# Altium PCB WX0.000.863拼板.PcbDoc (part 6 of 15) (continued)
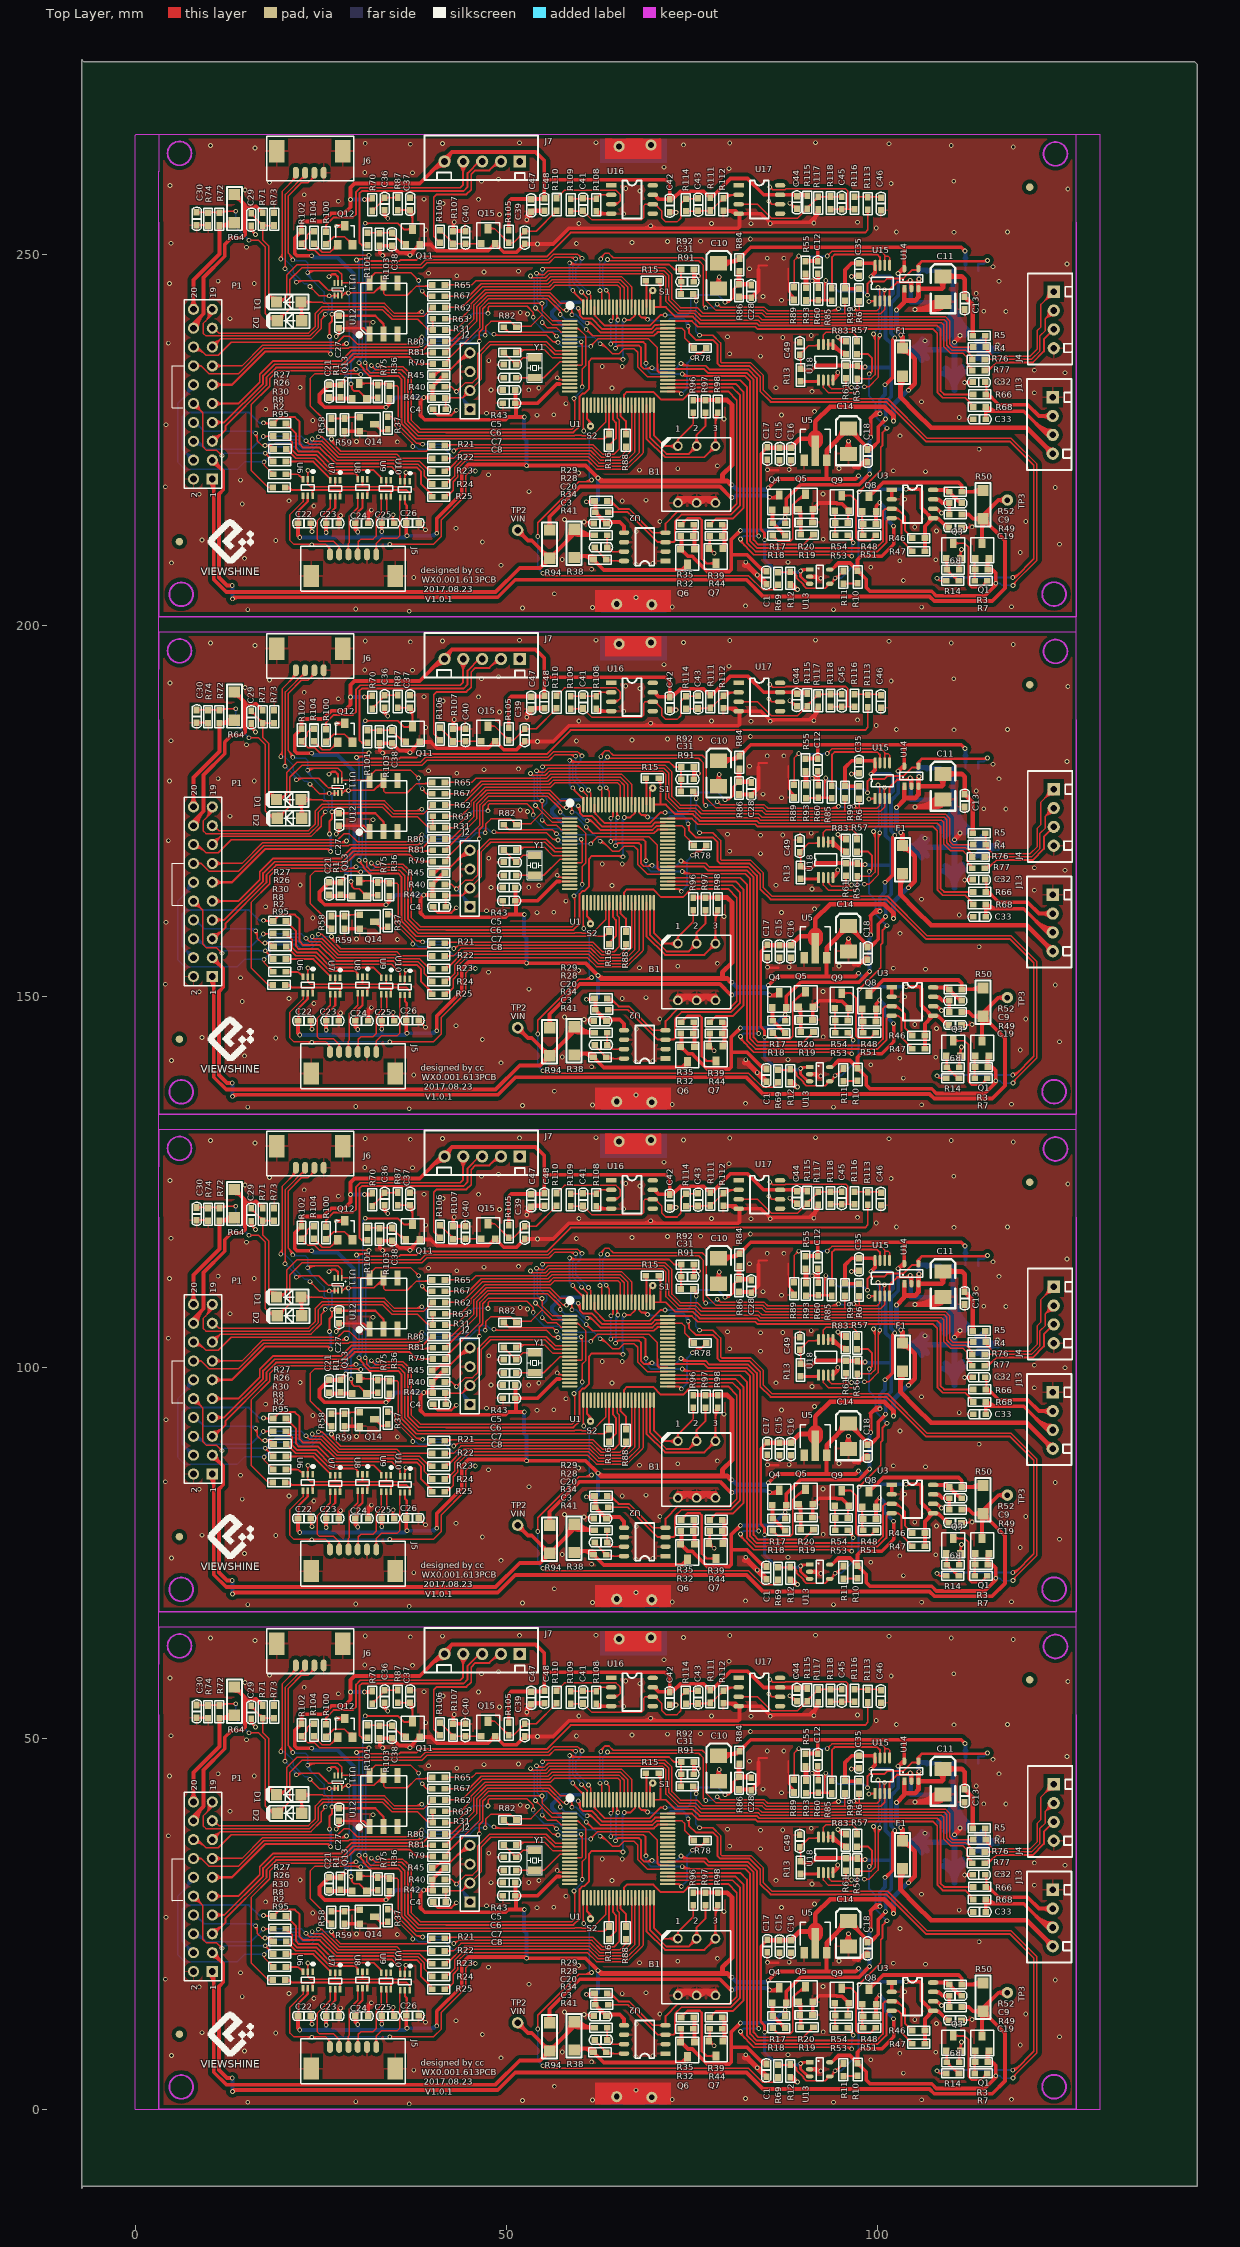
[diagram p0: Top Layer view]
## Nets (pads, with @x,y where several pads share a name; then routed paths per layer and width w, separated by ;. In a path a pad name is that pad's centre, name@x,y a point inside that pad or via, vN(x,y) a via of type N, cw(c..) or ccw(c..) an arc to the next point about the centre after c; other vN are vias at no path point) (continued)
79.248,56.045 ; 78.663,122.859 cw(c79.248,122.273) 79.248,123.101 ; 78.663,189.915 cw(c79.248,189.329) 79.248,190.157 ; 78.663,256.971 cw(c79.248,256.385) 79.248,257.213 ; 78.785,55.925 ccw(c78.373,56.337) 78.956,56.337 ; 78.785,122.981 ccw(c78.373,123.393) 78.956,123.393 ; 78.785,190.037 ccw(c78.373,190.449) 78.956,190.449 ; 78.785,257.093 ccw(c78.373,257.505) 78.956,257.505 ; 79.167,56.52 cw(c80.015,55.672) 80.015,56.871 ; 79.167,123.576 cw(c80.015,122.728) 80.015,123.927 ; 79.167,190.632 cw(c80.015,189.784) 80.015,190.983 ; 79.167,257.688 cw(c80.015,256.84) 80.015,258.039 ; 79.293,56.727 ccw(c79.371,57.231) 79.731,56.871 ; 79.293,123.783 ccw(c79.371,124.287) 79.731,123.927 ; 79.293,190.839 ccw(c79.371,191.343) 79.731,190.983 ; 79.293,257.895 ccw(c79.371,258.399) 79.731,258.039 ; 79.311,56.376 cw(c80.505,55.182) 80.505,56.871 ; 79.311,123.432 cw(c80.505,122.238) 80.505,123.927 ; 79.311,190.488 cw(c80.505,189.294) 80.505,190.983 ; 79.311,257.544 cw(c80.505,256.35) 80.505,258.039 ; 79.455,56.232 cw(c80.996,54.691) 80.996,56.871 ; 79.455,123.288 cw(c80.996,121.747) 80.996,123.927 ; 79.455,190.344 cw(c80.996,188.803) 80.996,190.983 ; 79.455,257.4 cw(c80.996,255.859) 80.996,258.039 ; 79.54,56.439 cw(c80.123,56.439) 79.711,56.851 ; 79.54,123.495 cw(c80.123,123.495) 79.711,123.907 ; 79.54,190.551 cw(c80.123,190.551) 79.711,190.963 ; 79.54,257.607 cw(c80.123,257.607) 79.711,258.019 ; 80.358,56.871 cw(c80.358,56.293) 80.767,56.702 ; 80.358,123.927 cw(c80.358,123.349) 80.767,123.758 ; 80.358,190.983 cw(c80.358,190.405) 80.767,190.814 ; 80.358,258.039 cw(c80.358,257.461) 80.767,257.87 ; 80.481,56.871 ccw(c80.481,57.274) 80.767,56.989 ; 80.481,123.927 ccw(c80.481,124.33) 80.767,124.045 ; 80.481,190.983 ccw(c80.481,191.386) 80.767,191.101 ; 80.481,258.039 ccw(c80.481,258.442) 80.767,258.157 ; 81.305,55.575 83.845,55.575 84.407,55.013 84.511,54.91 85.725,53.696 89.256,53.696 90.551,54.991 90.442,54.991 ; 81.305,56.845 81.291,56.845 81.265,56.871 79.731,56.871 ; 81.305,122.631 83.845,122.631 84.407,122.069 84.511,121.966 85.725,120.752 89.256,120.752 90.551,122.047 90.442,122.047 ; 81.305,123.901 81.291,123.901 81.265,123.927 79.731,123.927 ; 81.305,189.687 83.845,189.687 84.407,189.125 84.511,189.022 85.725,187.808 89.256,187.808 90.551,189.103 90.442,189.103 ; 81.305,190.957 81.291,190.957 81.265,190.983 79.731,190.983 ; 81.305,256.743 83.845,256.743 84.407,256.181 84.511,256.078 85.725,254.864 89.256,254.864 90.551,256.159 90.442,256.159 ; 81.305,258.013 81.291,258.013 81.265,258.039 79.731,258.039 ; 81.844,55.432 cw(c82.191,55.085) 82.191,55.575 cw(c82.191,56.066) 81.844,55.719 ; 81.844,122.488 cw(c82.191,122.141) 82.191,122.631 cw(c82.191,123.122) 81.844,122.775 ; 81.844,189.544 cw(c82.191,189.197) 82.191,189.687 cw(c82.191,190.178) 81.844,189.831 ; 81.844,256.6 cw(c82.191,256.253) 82.191,256.743 cw(c82.191,257.234) 81.844,256.887 ; v1@85.369,55.766 cw(c85.369,55.244) 85.738,55.613 cw(c86.107,55.982) v1@85.585,55.982 ; v1(85.369,55.982) 85.776,55.575 85.903,55.575 86.893,55.575 ; v1@85.369,122.822 cw(c85.369,122.3) 85.738,122.669 cw(c86.107,123.038) v1@85.585,123.038 ; v1(85.369,123.038) 85.776,122.631 85.903,122.631 86.893,122.631 ; v1@85.369,189.878 cw(c85.369,189.356) 85.738,189.725 cw(c86.107,190.094) v1@85.585,190.094 ; v1(85.369,190.094) 85.776,189.687 85.903,189.687 86.893,189.687 ; v1@85.369,256.934 cw(c85.369,256.412) 85.738,256.781 cw(c86.107,257.15) v1@85.585,257.15 ; v1(85.369,257.15) 85.776,256.743 85.903,256.743 86.893,256.743 ; v1@85.496,57.696 cw(c85.496,57.175) 85.865,57.543 cw(c86.234,57.912) v1@85.712,57.912 ; v1(85.496,57.912) 85.898,57.511 87.539,57.511 87.661,57.633 95.733,57.633 96.012,57.353 96.012,54.902 ; v1@85.496,124.752 cw(c85.496,124.231) 85.865,124.599 cw(c86.234,124.968) v1@85.712,124.968 ; v1(85.496,124.968) 85.898,124.567 87.539,124.567 87.661,124.689 95.733,124.689 96.012,124.409 96.012,121.958 ; v1@85.496,191.808 cw(c85.496,191.287) 85.865,191.655 cw(c86.234,192.024) v1@85.712,192.024 ; v1(85.496,192.024) 85.898,191.623 87.539,191.623 87.661,191.745 95.733,191.745 96.012,191.465 96.012,189.014 ; v1@85.496,258.864 cw(c85.496,258.343) 85.865,258.711 cw(c86.234,259.08) v1@85.712,259.08 ; v1(85.496,259.08) 85.898,258.679 87.539,258.679 87.661,258.801 95.733,258.801 96.012,258.521 96.012,256.07 ; 86.029,3.682 cw(c86.614,3.096) 86.614,3.924 ; 86.029,70.738 cw(c86.614,70.152) 86.614,70.98 ; 86.029,137.794 cw(c86.614,137.208) 86.614,138.036 ; 86.029,204.85 cw(c86.614,204.264) 86.614,205.092 ; 86.151,3.804 ccw(c85.739,4.216) 86.322,4.216 ; 86.151,70.86 ccw(c85.739,71.272) 86.322,71.272 ; 86.151,137.916 ccw(c85.739,138.328) 86.322,138.328 ; 86.151,204.972 ccw(c85.739,205.384) 86.322,205.384 ; 86.355,55.432 ccw(c86.008,55.085) 86.008,55.575 ccw(c86.008,56.066) 86.355,55.719 ; 86.355,122.488 ccw(c86.008,122.141) 86.008,122.631 ccw(c86.008,123.122) 86.355,122.775 ; 86.355,189.544 ccw(c86.008,189.197) 86.008,189.687 ccw(c86.008,190.178) 86.355,189.831 ; 86.355,256.6 ccw(c86.008,256.253) 86.008,256.743 ccw(c86.008,257.234) 86.355,256.887 ; 86.614,4.267 85.984,3.637 84.521,3.637 82.652,5.507 75.489,5.507 ; 86.614,71.323 85.984,70.693 84.521,70.693 82.652,72.563 75.489,72.563 ; 86.614,138.379 85.984,137.749 84.521,137.749 82.652,139.619 75.489,139.619 ; 86.614,205.435 85.984,204.805 84.521,204.805 82.652,206.675 75.489,206.675 ; 86.893,56.845 88.633,56.845 88.824,56.654 90.335,56.654 90.373,56.617 ; 86.893,123.901 88.633,123.901 88.824,123.71 90.335,123.71 90.373,123.673 ; 86.893,190.957 88.633,190.957 88.824,190.766 90.335,190.766 90.373,190.729 ; 86.893,258.013 88.633,258.013 88.824,257.822 90.335,257.822 90.373,257.785 ; 87.432,56.702 cw(c87.779,56.355) 87.779,56.845 cw(c87.779,57.336) 87.432,56.989 ; 87.432,123.758 cw(c87.779,123.411) 87.779,123.901 cw(c87.779,124.392) 87.432,124.045 ; 87.432,190.814 cw(c87.779,190.467) 87.779,190.957 cw(c87.779,191.448) 87.432,191.101 ; 87.432,257.87 cw(c87.779,257.523) 87.779,258.013 cw(c87.779,258.504) 87.432,258.157 ; 87.978,46.973 87.978,43.907 88.773,43.112 88.773,42.672 ; 87.978,114.029 87.978,110.963 88.773,110.168 88.773,109.728 ; 87.978,181.085 87.978,178.019 88.773,177.224 88.773,176.784 ; 87.978,248.141 87.978,245.075 88.773,244.28 88.773,243.84 ; 87.999,43.885 cw(c86.837,42.723) 88.481,42.723 ; 87.999,110.941 cw(c86.837,109.779) 88.481,109.779 ; 87.999,177.997 cw(c86.837,176.835) 88.481,176.835 ; 87.999,245.053 cw(c86.837,243.891) 88.481,243.891 ; 88.346,43.539 cw(c87.531,42.723) 88.684,42.723 ; 88.346,110.595 cw(c87.531,109.779) 88.684,109.779 ; 88.346,177.651 cw(c87.531,176.835) 88.684,176.835 ; 88.346,244.707 cw(c87.531,243.891) 88.684,243.891 ; 88.566,44.631 ccw(c88.068,45.13) 88.773,45.13 ccw(c89.478,45.13) 88.98,44.631 ; 88.566,111.687 ccw(c88.068,112.186) 88.773,112.186 ccw(c89.478,112.186) 88.98,111.687 ; 88.566,178.743 ccw(c88.068,179.242) 88.773,179.242 ccw(c89.478,179.242) 88.98,178.743 ; 88.566,245.799 ccw(c88.068,246.298) 88.773,246.298 ccw(c89.478,246.298) 88.98,245.799 ; 88.693,43.192 cw(c88.224,42.723) 88.887,42.723 ; 88.693,110.248 cw(c88.224,109.779) 88.887,109.779 ; 88.693,177.304 cw(c88.224,176.835) 88.887,176.835 ; 88.693,244.36 cw(c88.224,243.891) 88.887,243.891 ; 88.773,44.374 88.773,48.006 89.357,48.59 v1(89.408,48.59) ; 88.773,111.43 88.773,115.062 89.357,115.646 v1(89.408,115.646) ; 88.773,178.486 88.773,182.118 89.357,182.702 v1(89.408,182.702) ; 88.773,245.542 88.773,249.174 89.357,249.758 v1(89.408,249.758) ; 88.953,48.186 cw(c89.408,47.73) v1@89.408,48.374 ; 88.953,115.242 cw(c89.408,114.786) v1@89.408,115.43 ; 88.953,182.298 cw(c89.408,181.842) v1@89.408,182.486 ; 88.953,249.354 cw(c89.408,248.898) v1@89.408,249.542 ; 89.075,48.308 ccw(c88.794,48.59) v1@89.192,48.59 ; 89.075,115.364 ccw(c88.794,115.646) v1@89.192,115.646 ; 89.075,182.42 ccw(c88.794,182.702) v1@89.192,182.702 ; 89.075,249.476 ccw(c88.794,249.758) v1@89.192,249.758 ; 89.328,35.036 cw(c88.523,34.231) 89.662,34.231 ; 89.328,102.092 cw(c88.523,101.287) 89.662,101.287 ; 89.328,169.148 cw(c88.523,168.343) 89.662,168.343 ; 89.328,236.204 cw(c88.523,235.399) 89.662,235.399 ; 89.361,56.46 cw(c89.829,55.992) 89.829,56.654 ; 89.361,56.873 ccw(c89.889,57.402) 89.889,56.654 ; 89.361,123.516 cw(c89.829,123.048) 89.829,123.71 ; 89.361,123.929 ccw(c89.889,124.458) 89.889,123.71 ; 89.361,190.572 cw(c89.829,190.104) 89.829,190.766 ; 89.361,190.985 ccw(c89.889,191.514) 89.889,190.766 ; 89.361,257.628 cw(c89.829,257.16) 89.829,257.822 ; 89.361,258.041 ccw(c89.889,258.57) 89.889,257.822 ; 89.455,33.658 ccw(c88.957,34.157) 89.662,34.157 ccw(c90.367,34.157) 89.869,33.658 ; 89.455,100.714 ccw(c88.957,101.213) 89.662,101.213 ccw(c90.367,101.213) 89.869,100.714 ; 89.455,167.77 ccw(c88.957,168.269) 89.662,168.269 ccw(c90.367,168.269) 89.869,167.77 ; 89.455,234.826 ccw(c88.957,235.325) 89.662,235.325 ccw(c90.367,235.325) 89.869,234.826 ; 89.472,35.18 cw(c89.014,34.722) 89.662,34.722 ; 89.472,102.236 cw(c89.014,101.778) 89.662,101.778 ; 89.472,169.292 cw(c89.014,168.834) 89.662,168.834 ; 89.472,236.348 cw(c89.014,235.89) 89.662,235.89 ; 89.535,35.636 ccw(c89.535,36.464) 90.12,35.879 ; 89.535,102.692 ccw(c89.535,103.52) 90.12,102.935 ; 89.535,169.748 ccw(c89.535,170.576) 90.12,169.991 ; 89.535,236.804 ccw(c89.535,237.632) 90.12,237.047 ; 89.662,33.401 89.662,35.167 89.535,35.294 89.662,35.421 90.767,36.525 91.923,36.525 92.075,36.677 ; 89.662,34.844 cw(c89.934,34.844) 89.742,35.036 ; 89.662,100.457 89.662,102.223 89.535,102.35 89.662,102.477 90.767,103.581 91.923,103.581 92.075,103.733 ; 89.662,101.9 cw(c89.934,101.9) 89.742,102.092 ; 89.662,167.513 89.662,169.279 89.535,169.406 89.662,169.533 90.767,170.637 91.923,170.637 92.075,170.789 ; 89.662,168.956 cw(c89.934,168.956) 89.742,169.148 ; 89.662,234.569 89.662,236.335 89.535,236.462 89.662,236.589 90.767,237.693 91.923,237.693 92.075,237.845 ; 89.662,236.012 cw(c89.934,236.012) 89.742,236.204 ; 89.816,56.654 cw(c89.816,55.907) 90.344,56.435 ; 89.816,123.71 cw(c89.816,122.963) 90.344,123.491 ; 89.816,190.766 cw(c89.816,190.019) 90.344,190.547 ; 89.816,257.822 cw(c89.816,257.075) 90.344,257.603 ; 89.827,35.344 cw(c90.41,35.344) 89.998,35.756 ; 89.827,102.4 cw(c90.41,102.4) 89.998,102.812 ; 89.827,169.456 cw(c90.41,169.456) 89.998,169.868 ; 89.827,236.512 cw(c90.41,236.512) 89.998,236.924 ; 89.876,56.654 ccw(c89.876,57.317) 90.344,56.849 ; 89.876,123.71 ccw(c89.876,124.373) 90.344,123.905 ; 89.876,190.766 ccw(c89.876,191.429) 90.344,190.961 ; 89.876,257.822 ccw(c89.876,258.485) 90.344,258.017 ; 89.966,54.406 cw(c90.551,53.82) 90.551,54.648 ; 89.966,121.462 cw(c90.551,120.876) 90.551,121.704 ; 89.966,188.518 cw(c90.551,187.932) 90.551,188.76 ; 89.966,255.574 cw(c90.551,254.988) 90.551,255.816 ; 90.088,54.528 ccw(c89.676,54.94) 90.259,54.94 ; 90.088,121.584 ccw(c89.676,121.996) 90.259,121.996 ; 90.088,188.64 ccw(c89.676,189.052) 90.259,189.052 ; 90.088,255.696 ccw(c89.676,256.108) 90.259,256.108 ; 90.5,55.042 92.024,56.566 93.624,56.566 93.675,56.617 95.187,56.617 95.199,56.604 ; 90.5,122.098 92.024,123.622 93.624,123.622 93.675,123.673 95.187,123.673 95.199,123.66 ; 90.5,189.154 92.024,190.678 93.624,190.678 93.675,190.729 95.187,190.729 95.199,190.716 ; 90.5,256.21 92.024,257.734 93.624,257.734 93.675,257.785 95.187,257.785 95.199,257.772 ; 90.551,55.334 ccw(c90.551,55.916) 90.963,55.505 ; 90.551,122.39 ccw(c90.551,122.972) 90.963,122.561 ; 90.551,189.446 ccw(c90.551,190.028) 90.963,189.617 ; 90.551,256.502 ccw(c90.551,257.084) 90.963,256.673 ; 90.843,55.042 cw(c91.671,55.042) 91.086,55.627 ; 90.843,122.098 cw(c91.671,122.098) 91.086,122.683 ; 90.843,189.154 cw(c91.671,189.154) 91.086,189.739 ; 90.843,256.21 cw(c91.671,256.21) 91.086,256.795 ; 91.439,55.98 cw(c92.024,55.395) 92.024,56.223 ; 91.439,123.036 cw(c92.024,122.451) 92.024,123.279 ; 91.439,190.092 cw(c92.024,189.507) 92.024,190.335 ; 91.439,257.148 cw(c92.024,256.563) 92.024,257.391 ; 91.483,36.525 ccw(c91.483,37.269) 92.009,36.743 ; 91.483,103.581 ccw(c91.483,104.325) 92.009,103.799 ; 91.483,170.637 ccw(c91.483,171.381) 92.009,170.855 ; 91.483,237.693 ccw(c91.483,238.437) 92.009,237.911 ; 91.561,56.103 ccw(c91.15,56.515) 91.732,56.515 ; 91.561,123.159 ccw(c91.15,123.571) 91.732,123.571 ; 91.561,190.215 ccw(c91.15,190.627) 91.732,190.627 ; 91.561,257.271 ccw(c91.15,257.683) 91.732,257.683 ; 92.231,56.359 cw(c92.729,55.861) 92.729,56.566 cw(c92.729,57.271) 92.231,56.772 ; 92.231,123.415 cw(c92.729,122.917) 92.729,123.622 cw(c92.729,124.327) 92.231,123.828 ; 92.231,190.471 cw(c92.729,189.973) 92.729,190.678 cw(c92.729,191.383) 92.231,190.884 ; 92.231,257.527 cw(c92.729,257.029) 92.729,257.734 cw(c92.729,258.439) 92.231,257.94 ; 92.634,36.768 92.725,36.677 92.725,37.988 93.066,38.329 96.647,38.329 97.257,37.719 ; 92.634,103.824 92.725,103.733 92.725,105.044 93.066,105.385 96.647,105.385 97.257,104.775 ; 92.634,170.88 92.725,170.789 92.725,172.1 93.066,172.441 96.647,172.441 97.257,171.831 ; 92.634,237.936 92.725,237.845 92.725,239.156 93.066,239.497 96.647,239.497 97.257,238.887 ; 92.659,31.256 cw(c92.5,31.097) 92.725,31.097 cw(c92.95,31.097) 92.791,31.256 ; 92.659,37.298 ccw(c92.5,37.457) 92.725,37.457 ccw(c92.95,37.457) 92.791,37.298 ; 92.659,98.312 cw(c92.5,98.153) 92.725,98.153 cw(c92.95,98.153) 92.791,98.312 ; 92.659,104.354 ccw(c92.5,104.513) 92.725,104.513 ccw(c92.95,104.513) 92.791,104.354 ; 92.659,165.368 cw(c92.5,165.209) 92.725,165.209 cw(c92.95,165.209) 92.791,165.368 ; 92.659,171.41 ccw(c92.5,171.569) 92.725,171.569 ccw(c92.95,171.569) 92.791,171.41 ; 92.659,232.424 cw(c92.5,232.265) 92.725,232.265 cw(c92.95,232.265) 92.791,232.424 ; 92.659,238.466 ccw(c92.5,238.625) 92.725,238.625 ccw(c92.95,238.625) 92.791,238.466 ; 92.725,31.877 92.725,30.871 93.434,30.162 97.066,30.162 97.282,30.378 97.282,32.08 99.162,32.08 99.695,32.614 v1@99.695,37.897 ; 92.725,98.933 92.725,97.927 93.434,97.218 97.066,97.218 97.282,97.434 97.282,99.136 99.162,99.136 99.695,99.67 v1@99.695,104.953 ; 92.725,165.989 92.725,164.983 93.434,164.274 97.066,164.274 97.282,164.49 97.282,166.192 99.162,166.192 99.695,166.726 v1@99.695,172.009 ; 92.725,233.045 92.725,232.039 93.434,231.331 97.066,231.331 97.282,231.546 97.282,233.248 99.162,233.248 99.695,233.782 v1@99.695,239.065 ; v1(93.243,48.59) 93.883,49.23 100.503,49.23 100.995,48.738 100.995,48.59 ; v1@93.243,48.806 ccw(c93.243,49.327) 93.612,48.959 ccw(c93.981,48.59) v1@93.459,48.59 ; v1(93.243,115.646) 93.883,116.286 100.503,116.286 100.995,115.794 100.995,115.646 ; v1@93.243,115.862 ccw(c93.243,116.383) 93.612,116.015 ccw(c93.981,115.646) v1@93.459,115.646 ; v1(93.243,182.702) 93.883,183.342 100.503,183.342 100.995,182.85 100.995,182.702 ; v1@93.243,182.918 ccw(c93.243,183.439) 93.612,183.071 ccw(c93.981,182.702) v1@93.459,182.702 ; v1(93.243,249.758) 93.883,250.398 100.503,250.398 100.995,249.906 100.995,249.758 ; v1@93.243,249.974 ccw(c93.243,250.495) 93.612,250.127 ccw(c93.981,249.758) v1@93.459,249.758 ; 93.375,31.877 93.375,31.161 93.802,30.734 95.809,30.734 ; 93.375,98.933 93.375,98.217 93.802,97.79 95.809,97.79 ; 93.375,165.989 93.375,165.273 93.802,164.846 95.809,164.846 ; 93.375,233.045 93.375,232.329 93.802,231.902 95.809,231.902 ; 93.468,31.322 ccw(c94.082,31.322) 93.648,30.888 ; 93.469,56.359 ccw(c92.97,55.861) 92.97,56.566 ccw(c92.97,57.271) 93.469,56.772 ; 93.468,98.378 ccw(c94.082,98.378) 93.648,97.944 ; 93.469,123.415 ccw(c92.97,122.917) 92.97,123.622 ccw(c92.97,124.327) 93.469,123.828 ; 93.468,165.434 ccw(c94.082,165.434) 93.648,165 ; 93.469,190.471 ccw(c92.97,189.973) 92.97,190.678 ccw(c92.97,191.383) 93.469,190.884 ; 93.468,232.49 ccw(c94.082,232.49) 93.648,232.056 ; 93.469,257.527 ccw(c92.97,257.029) 92.97,257.734 ccw(c92.97,258.439) 93.469,257.94 ; 93.67,41.239 ccw(c93.67,42.576) v1@94.615,41.631 ; 93.67,108.295 ccw(c93.67,109.632) v1@94.615,108.687 ; 93.67,175.351 ccw(c93.67,176.688) v1@94.615,175.743 ; 93.67,242.407 ccw(c93.67,243.744) v1@94.615,242.799 ; 93.675,54.915 95.187,54.915 95.199,54.902 96.012,54.902 ; 93.675,121.971 95.187,121.971 95.199,121.958 96.012,121.958 ; 93.675,189.027 95.187,189.027 95.199,189.014 96.012,189.014 ; 93.675,256.083 95.187,256.083 95.199,256.07 96.012,256.07 ; 93.882,54.708 cw(c94.38,54.21) 94.38,54.915 cw(c94.38,55.62) 93.882,55.121 ; 93.882,56.41 cw(c94.38,55.911) 94.38,56.617 cw(c94.38,57.322) 93.882,56.823 ; 93.882,121.764 cw(c94.38,121.266) 94.38,121.971 cw(c94.38,122.676) 93.882,122.177 ; 93.882,123.466 cw(c94.38,122.967) 94.38,123.673 cw(c94.38,124.378) 93.882,123.879 ; 93.882,188.82 cw(c94.38,188.322) 94.38,189.027 cw(c94.38,189.732) 93.882,189.233 ; 93.882,190.522 cw(c94.38,190.023) 94.38,190.729 cw(c94.38,191.434) 93.882,190.935 ; 93.882,255.876 cw(c94.38,255.378) 94.38,256.083 cw(c94.38,256.788) 93.882,256.289 ; 93.882,257.578 cw(c94.38,257.079) 94.38,257.785 cw(c94.38,258.49) 93.882,257.991 ; 94.16,41.239 ccw(c94.16,42.085) v1@94.758,41.487 ; 94.16,108.295 ccw(c94.16,109.141) v1@94.758,108.543 ; 94.16,175.351 ccw(c94.16,176.197) v1@94.758,175.599 ; 94.16,242.407 ccw(c94.16,243.253) v1@94.758,242.655 ; 94.464,54.915 cw(c94.464,54.167) 94.993,54.696 ; 94.464,56.617 cw(c94.464,55.869) 94.993,56.398 ; 94.464,121.971 cw(c94.464,121.223) 94.993,121.752 ; 94.464,123.673 cw(c94.464,122.925) 94.993,123.454 ; 94.464,189.027 cw(c94.464,188.279) 94.993,188.808 ; 94.464,190.729 cw(c94.464,189.981) 94.993,190.51 ; 94.464,256.083 cw(c94.464,255.335) 94.993,255.864 ; 94.464,257.785 cw(c94.464,257.037) 94.993,257.566 ; 94.524,54.915 ccw(c94.524,55.577) 94.993,55.109 ; 94.524,56.617 ccw(c94.524,57.279) 94.993,56.811 ; 94.524,121.971 ccw(c94.524,122.633) 94.993,122.165 ; 94.524,123.673 ccw(c94.524,124.335) 94.993,123.867 ; 94.524,189.027 ccw(c94.524,189.689) 94.993,189.221 ; 94.524,190.729 ccw(c94.524,191.391) 94.993,190.923 ; 94.524,256.083 ccw(c94.524,256.745) 94.993,256.277 ; 94.524,257.785 ccw(c94.524,258.447) 94.993,257.979 ; 95.406,54.696 cw(c95.904,54.197) 95.904,54.902 cw(c95.904,55.608) 95.406,55.109 ; 95.406,121.752 cw(c95.904,121.253) 95.904,121.958 cw(c95.904,122.664) 95.406,122.165 ; 95.406,188.808 cw(c95.904,188.309) 95.904,189.014 cw(c95.904,189.72) 95.406,189.221 ; 95.406,255.864 cw(c95.904,255.365) 95.904,256.07 cw(c95.904,256.776) 95.406,256.277 ; 95.424,42.288 cw(c94.926,41.789) 95.631,41.789 cw(c96.336,41.789) 95.838,42.288 ; 95.424,109.344 cw(c94.926,108.845) 95.631,108.845 cw(c96.336,108.845) 95.838,109.344 ; 95.424,176.4 cw(c94.926,175.901) 95.631,175.901 cw(c96.336,175.901) 95.838,176.4 ; 95.424,243.456 cw(c94.926,242.957) 95.631,242.957 cw(c96.336,242.957) 95.838,243.456 ; 95.551,31.874 cw(c95.053,31.375) 95.758,31.375 cw(c96.463,31.375) 95.965,31.874 ; 95.551,98.93 cw(c95.053,98.431) 95.758,98.431 cw(c96.463,98.431) 95.965,98.93 ; 95.551,165.986 cw(c95.053,165.487) 95.758,165.487 cw(c96.463,165.487) 95.965,165.986 ; 95.551,233.042 cw(c95.053,232.543) 95.758,232.543 cw(c96.463,232.543) 95.965,233.042 ; 95.631,41.092 95.631,41.681 ; 95.631,42.545 95.631,41.681 ; 95.631,108.148 95.631,108.737 ; 95.631,109.601 95.631,108.737 ; 95.631,175.204 95.631,175.793 ; 95.631,176.657 95.631,175.793 ; 95.631,242.26 95.631,242.849 ; 95.631,243.713 95.631,242.849 ; 95.758,32.131 95.758,30.785 95.809,30.734 ; 95.758,33.833 95.809,33.782 97.282,33.782 ; 95.758,99.187 95.758,97.841 95.809,97.79 ; 95.758,100.889 95.809,100.838 97.282,100.838 ; 95.758,166.243 95.758,164.897 95.809,164.846 ; 95.758,167.945 95.809,167.894 97.282,167.894 ; 95.758,233.299 95.758,231.953 95.809,231.902 ; 95.758,235.001 95.809,234.95 97.282,234.95 ; 95.965,33.575 cw(c96.463,33.077) 96.463,33.782 cw(c96.463,34.487) 95.965,33.989 ; 95.965,100.631 cw(c96.463,100.133) 96.463,100.838 cw(c96.463,101.543) 95.965,101.045 ; 95.965,167.687 cw(c96.463,167.189) 96.463,167.894 cw(c96.463,168.599) 95.965,168.101 ; 95.965,234.743 cw(c96.463,234.245) 96.463,234.95 cw(c96.463,235.655) 95.965,235.157 ; 96.19,54.902 cw(c96.19,54.153) 96.72,54.683 ; 96.19,121.958 cw(c96.19,121.209) 96.72,121.739 ; 96.19,189.014 cw(c96.19,188.265) 96.72,188.795 ; 96.19,256.07 cw(c96.19,255.321) 96.72,255.851 ; 96.201,30.734 ccw(c96.201,31.112) v1@96.51,30.894 ; 96.201,97.79 ccw(c96.201,98.168) v1@96.51,97.95 ; 96.201,164.846 ccw(c96.201,165.224) v1@96.51,165.006 ; 96.201,231.902 ccw(c96.201,232.28) v1@96.51,232.062 ; 96.252,54.902 ccw(c96.252,55.563) 96.72,55.096 ; 96.252,121.958 ccw(c96.252,122.619) 96.72,122.152 ; 96.252,189.014 ccw(c96.252,189.675) 96.72,189.208 ; 96.252,256.07 ccw(c96.252,256.731) 96.72,256.264 ; v1@96.344,31.011 cw(c95.809,31.389) 95.809,30.734 ; v1@96.344,98.067 cw(c95.809,98.445) 95.809,97.79 ; v1@96.344,165.123 cw(c95.809,165.501) 95.809,164.846 ; v1@96.344,232.179 cw(c95.809,232.557) 95.809,231.902 ; v1(96.52,30.886) 96.52,30.861 96.393,30.734 95.809,30.734 ; v1(96.52,97.942) 96.52,97.917 96.393,97.79 95.809,97.79 ; v1(96.52,164.998) 96.52,164.973 96.393,164.846 95.809,164.846 ; v1(96.52,232.054) 96.52,232.029 96.393,231.902 95.809,231.902 ; v1(96.774,41.504) 97.038,41.239 97.561,41.239 ; v1(96.774,108.56) 97.038,108.295 97.561,108.295 ; v1(96.774,175.616) 97.038,175.351 97.561,175.351 ; v1(96.774,242.672) 97.038,242.407 97.561,242.407 ; v1@96.785,41.509 ccw(c97.228,41.738) 97.228,41.239 ; v1@96.785,108.565 ccw(c97.228,108.794) 97.228,108.295 ; v1@96.785,175.621 ccw(c97.228,175.85) 97.228,175.351 ; v1@96.785,242.677 ccw(c97.228,242.906) 97.228,242.407 ; 96.926,54.889 96.913,54.902 96.012,54.902 ; 96.926,56.591 100.368,56.591 100.482,56.477 ; 96.926,121.945 96.913,121.958 96.012,121.958 ; 96.926,123.647 100.368,123.647 100.482,123.533 ; 96.926,189.001 96.913,189.014 96.012,189.014 ; 96.926,190.703 100.368,190.703 100.482,190.589 ; 96.926,256.057 96.913,256.07 96.012,256.07 ; 96.926,257.759 100.368,257.759 100.482,257.645 ; v1@96.966,41.602 ccw(c97.561,41.909) 97.561,41.239 ; v1@96.966,108.658 ccw(c97.561,108.965) 97.561,108.295 ; v1@96.966,175.714 ccw(c97.561,176.021) 97.561,175.351 ; v1@96.966,242.77 ccw(c97.561,243.077) 97.561,242.407 ; 97.075,31.823 cw(c96.577,31.324) 97.282,31.324 cw(c97.987,31.324) 97.489,31.823 ; 97.075,33.575 ccw(c96.577,33.077) 96.577,33.782 ccw(c96.577,34.487) 97.075,33.989 ; 97.075,98.879 cw(c96.577,98.38) 97.282,98.38 cw(c97.987,98.38) 97.489,98.879 ; 97.075,100.631 ccw(c96.577,100.133) 96.577,100.838 ccw(c96.577,101.543) 97.075,101.045 ; 97.075,165.935 cw(c96.577,165.436) 97.282,165.436 cw(c97.987,165.436) 97.489,165.935 ; 97.075,167.687 ccw(c96.577,167.189) 96.577,167.894 ccw(c96.577,168.599) 97.075,168.101 ; 97.075,232.991 cw(c96.577,232.492) 97.282,232.492 cw(c97.987,232.492) 97.489,232.991 ; 97.075,234.743 ccw(c96.577,234.245) 96.577,234.95 ccw(c96.577,235.655) 97.075,235.157 ; 97.081,37.368 ccw(c96.818,37.719) 97.257,37.719 ; 97.081,104.424 ccw(c96.818,104.775) 97.257,104.775 ; 97.081,171.48 ccw(c96.818,171.831) 97.257,171.831 ; 97.081,238.536 ccw(c96.818,238.887) 97.257,238.887 ; 97.133,56.385 cw(c97.632,55.886) 97.632,56.591 cw(c97.632,57.296) 97.133,56.798 ; 97.133,123.441 cw(c97.632,122.942) 97.632,123.647 cw(c97.632,124.352) 97.133,123.854 ; 97.133,190.497 cw(c97.632,189.998) 97.632,190.703 cw(c97.632,191.408) 97.133,190.91 ; 97.133,257.553 cw(c97.632,257.054) 97.632,257.759 cw(c97.632,258.464) 97.133,257.966 ; 97.257,37.084 97.257,37.719 ; 97.257,104.14 97.257,104.775 ; 97.257,171.196 97.257,171.831 ; 97.257,238.252 97.257,238.887 ; 97.329,42.237 cw(c96.769,41.677) 97.561,41.677 ; 97.329,109.293 cw(c96.769,108.733) 97.561,108.733 ; 97.329,176.349 cw(c96.769,175.789) 97.561,175.789 ; 97.329,243.405 cw(c96.769,242.845) 97.561,242.845 ; 97.432,37.368 cw(c97.695,37.719) 97.257,37.719 ; 97.432,104.424 cw(c97.695,104.775) 97.257,104.775 ; 97.432,171.48 cw(c97.695,171.831) 97.257,171.831 ; 97.432,238.536 cw(c97.695,238.887) 97.257,238.887 ; 97.489,31.874 cw(c97.987,31.375) 97.987,32.08 cw(c97.987,32.785) 97.489,32.287 ; 97.489,98.93 cw(c97.987,98.431) 97.987,99.136 cw(c97.987,99.841) 97.489,99.343 ; 97.489,165.986 cw(c97.987,165.487) 97.987,166.192 cw(c97.987,166.897) 97.489,166.399 ; 97.489,233.042 cw(c97.987,232.543) 97.987,233.248 cw(c97.987,233.953) 97.489,233.455 ; 97.536,42.494 97.561,42.469 97.561,41.239 ; 97.536,109.55 97.561,109.525 97.561,108.295 ; 97.536,176.606 97.561,176.581 97.561,175.351 ; 97.536,243.662 97.561,243.637 97.561,242.407 ; 97.561,41.8 cw(c98.18,41.8) 97.743,42.237 ; 97.561,108.856 cw(c98.18,108.856) 97.743,109.293 ; 97.561,175.912 cw(c98.18,175.912) 97.743,176.349 ; 97.561,242.968 cw(c98.18,242.968) 97.743,243.405 ; 97.938,56.591 cw(c97.938,55.799) 98.498,56.359 ; 97.938,123.647 cw(c97.938,122.855) 98.498,123.415 ; 97.938,190.703 cw(c97.938,189.911) 98.498,190.471 ; 97.938,257.759 cw(c97.938,256.967) 98.498,257.527 ; 98.061,56.591 ccw(c98.061,57.21) 98.498,56.772 ; 98.061,123.647 ccw(c98.061,124.266) 98.498,123.828 ; 98.061,190.703 ccw(c98.061,191.322) 98.498,190.884 ; 98.061,257.759 ccw(c98.061,258.378) 98.498,257.94 ; v1(98.247,30.988) 98.857,30.988 100.096,32.228 100.096,37.689 v1(100.33,37.922) ; v1(98.247,98.044) 98.857,98.044 100.096,99.284 100.096,104.745 v1(100.33,104.978) ; v1(98.247,165.1) 98.857,165.1 100.096,166.34 100.096,171.801 v1(100.33,172.034) ; v1(98.247,232.156) 98.857,232.156 100.096,233.396 100.096,238.857 v1(100.33,239.09) ; v1@98.4,30.835 cw(c98.768,30.467) 98.768,30.988 cw(c98.768,31.509) v1@98.4,31.141 ; v1@98.4,97.891 cw(c98.768,97.523) 98.768,98.044 cw(c98.768,98.565) v1@98.4,98.197 ; v1@98.4,164.947 cw(c98.768,164.579) 98.768,165.1 cw(c98.768,165.621) v1@98.4,165.253 ; v1@98.4,232.003 cw(c98.768,231.635) 98.768,232.156 cw(c98.768,232.677) v1@98.4,232.309 ; 98.911,56.359 cw(c99.471,55.799) 99.471,56.591 ; 98.911,56.772 ccw(c99.348,57.21) 99.348,56.591 ; 98.911,123.415 cw(c99.471,122.855) 99.471,123.647 ; 98.911,123.828 ccw(c99.348,124.266) 99.348,123.647 ; 98.911,190.471 cw(c99.471,189.911) 99.471,190.703 ; 98.911,190.884 ccw(c99.348,191.322) 99.348,190.703 ; 98.911,257.527 cw(c99.471,256.967) 99.471,257.759 ; 98.911,257.94 ccw(c99.348,258.378) 99.348,257.759 ; v1@99.314,37.947 cw(c98.393,37.027) 99.695,37.027 ; v1@99.314,105.003 cw(c98.393,104.083) 99.695,104.083 ; v1@99.314,172.059 cw(c98.393,171.139) 99.695,171.139 ; v1@99.314,239.115 cw(c98.393,238.195) 99.695,238.195 ; 99.456,14.148 99.847,14.148 ; 99.456,81.204 99.847,81.204 ; 99.456,148.26 99.847,148.26 ; 99.456,215.316 99.847,215.316 ; v1@99.457,38.091 cw(c98.884,37.517) 99.695,37.517 ; v1@99.457,105.147 cw(c98.884,104.573) 99.695,104.573 ; v1@99.457,172.203 cw(c98.884,171.629) 99.695,171.629 ; v1@99.457,239.259 cw(c98.884,238.685) 99.695,238.685 ; 99.623,56.591 cw(c99.623,55.668) 100.276,56.321 ; 99.623,123.647 cw(c99.623,122.724) 100.276,123.377 ; 99.623,190.703 cw(c99.623,189.78) 100.276,190.433 ; 99.623,257.759 cw(c99.623,256.836) 100.276,257.489 ; 99.931,56.591 ccw(c99.931,57.079) 100.276,56.734 ; 99.931,123.647 ccw(c99.931,124.135) 100.276,123.79 ; 99.931,190.703 ccw(c99.931,191.191) 100.276,190.846 ; 99.931,257.759 ccw(c99.931,258.247) 100.276,257.902 ; v1(100.076,44.374) 100.076,44.221 100.345,43.952 100.345,42.545 ; v1(100.076,111.43) 100.076,111.277 100.345,111.008 100.345,109.601 ; v1(100.076,178.486) 100.076,178.333 100.345,178.064 100.345,176.657 ; v1(100.076,245.542) 100.076,245.389 100.345,245.12 100.345,243.713 ; 100.096,36.837 cw(c101.415,36.837) v1@100.483,37.77 ; 100.096,37.327 cw(c100.925,37.327) v1@100.339,37.913 ; 100.096,103.893 cw(c101.415,103.893) v1@100.483,104.826 ; 100.096,104.383 cw(c100.925,104.383) v1@100.339,104.969 ; 100.096,170.949 cw(c101.415,170.949) v1@100.483,171.882 ; 100.096,171.439 cw(c100.925,171.439) v1@100.339,172.025 ; 100.096,238.005 cw(c101.415,238.005) v1@100.483,238.938 ; 100.096,238.495 cw(c100.925,238.495) v1@100.339,239.081 ; v1@100.251,44.248 ccw(c100.389,44.148) 100.269,44.029 ; v1@100.251,111.304 ccw(c100.389,111.204) 100.269,111.085 ; v1@100.251,178.36 ccw(c100.389,178.26) 100.269,178.141 ; v1@100.251,245.416 ccw(c100.389,245.316) 100.269,245.197 ; 100.279,41.924 cw(c100.12,41.765) 100.345,41.765 cw(c100.57,41.765) 100.411,41.924 ; 100.279,43.166 ccw(c100.12,43.325) 100.345,43.325 ccw(c100.57,43.325) 100.411,43.166